# Allegro board RK_TABLET_DEMO1_RK3576_LP4XD200P132SD6_V12_20240530YWQ.brd (continued)
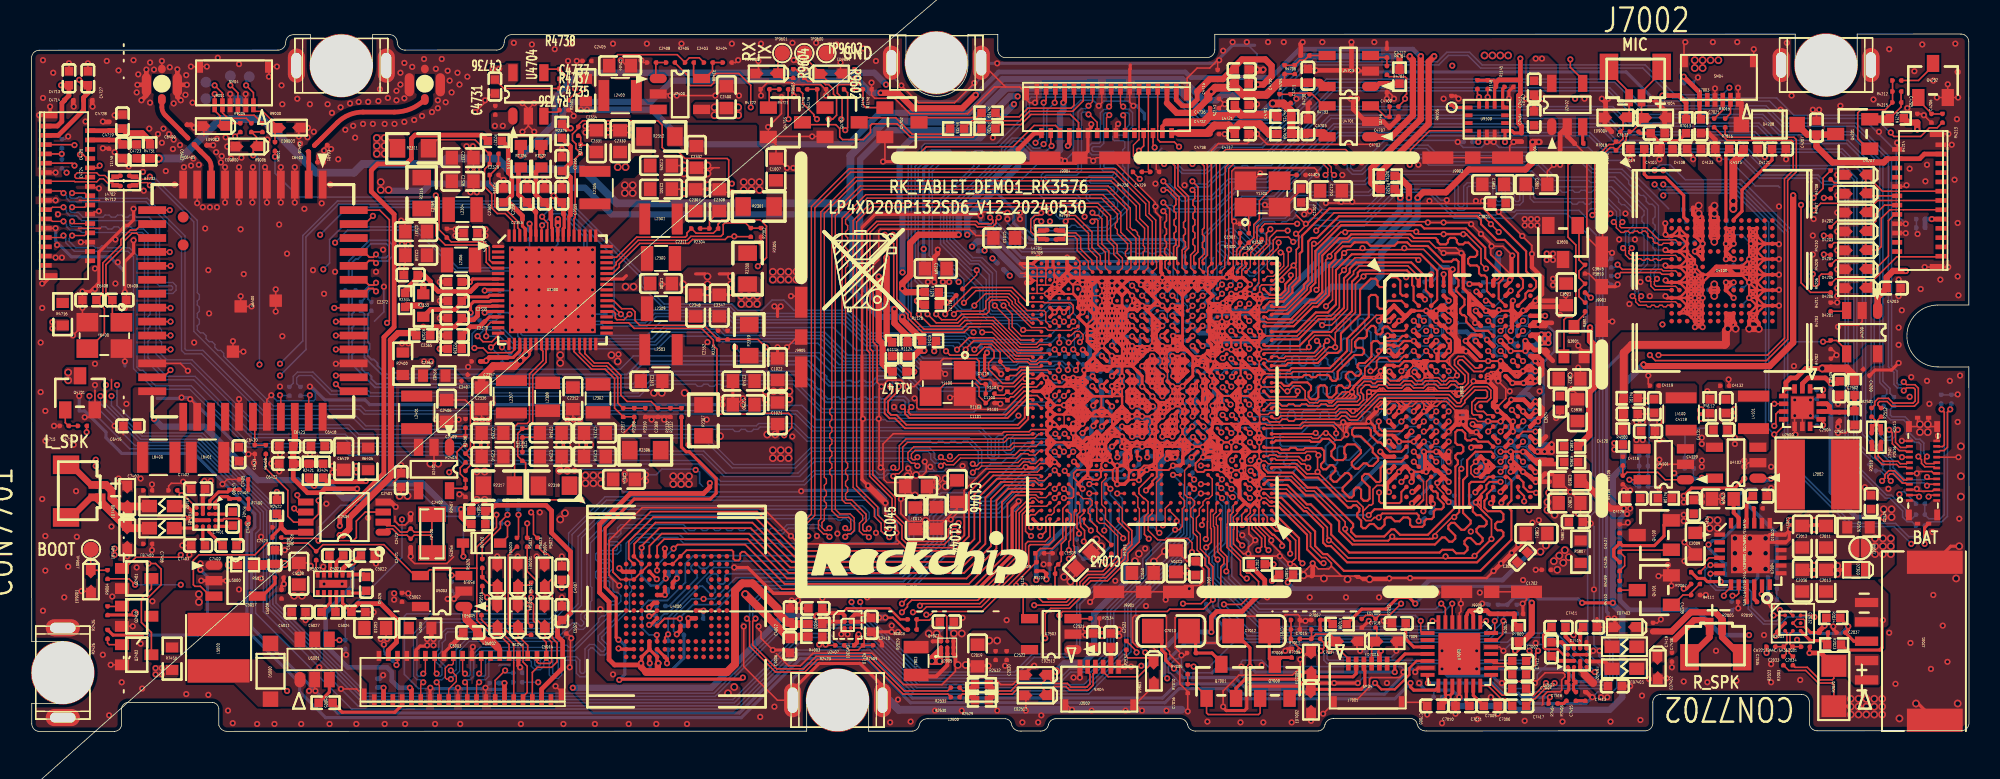
[diagram p0: board, top side]
## Routing (per net, layer and track width the routed paths; a pad name or vN(x,y) marks a point on that pad's centre or on a via; arc(x,y) is an arc through that point) (continued)
VDDA_DDR_PLL_S0_P: length 5.7
  TOP w0.203: 28.88,27.41 28.93,27.46 29.7,27.46 29.71,27.47 U2300.12
  TOP w0.305: R2329.1 25.73,25.83 26.03,26.14 27.31,26.14 27.76,26.59 C2365.1 27.86,26.59 28.53,26.59 28.78,26.85 28.78,27.3 28.88,27.41
VDDA_HDMI_S0_P: length 2.9
  TOP w0.203: v1(28.32,27.05) 28.32,27.56 28.53,27.76 29.59,27.76 29.66,27.82 U2300.11
  BOTTOM w0.305: C2367.1 28.35,27.02 v1(28.32,27.05)
VDDI: length 5.8
  TOP w0.254: v1(37.93,10.54) 38.15,10.31 38.37,10.31
  TOP w0.279: U4000.C2 38.37,10.31
  TOP w0.305: C4007.1 v1(34.22,9.27)
  L4-SIG w0.203: v1(37.93,10.54) 36.66,10.54 35.33,9.22 34.27,9.22 v1(34.22,9.27)
VDDQ_DDR_CKE_S3: length 16.2
  TOP w0.229: v1(74.95,19.02) 74.95,19.02 U1000.2B2
  TOP w0.305: v1(80.04,9.73) 80.44,10.13 R3809.1
  L5-GND w0.089: v1(74.95,19.02) 74.95,19.02 75.29,19.36 75.79,19.36 76.03,19.13 76.03,18.77 75.95,18.7 75.24,18.7 74.95,18.99 v1(74.95,19.02)
  L5-GND w0.203: 75.94,17.23 75.94,17.51 76.03,17.6 76.03,18.62 75.95,18.7
  L5-GND w0.305: v1(80.04,9.73) 79.23,9.73 78.62,10.34 77.9,10.34 77.6,10.64 77.6,11.05 76.43,12.22 76.43,12.42 75.95,12.9 75.95,14.48 75.94,14.49 75.94,17.23
  BOTTOM w0.305: C1214.1 74.91,19.02 v1(74.95,19.02)
VDDQ_DDR_S0: length 28
  TOP w0.102: v1(74.55,9.98) 74.24,10.3 C1204.1 ; 75.87,21.3 75.87,20.7 U1000.2E1 75.84,20.62 75.84,20.07 ; 75.84,22.02 75.84,22.57
  TOP w0.178: 75.56,21.64 75.56,22.29 v1(75.57,22.3) v1(75.57,22.95)
  TOP w0.203: U1000.2J2 v1(75.57,22.95) U1000.2H1 ; 75.89,21.32 U1000.2F1 ; U1000.2E1 75.59,20.37 ; 75.56,21.64 75.57,21.64
  TOP w0.229: U1000.2D1 v1(75.57,20.35) 75.59,20.37 75.59,20.97 ; U1000.2G1 76.2,21.66 75.89,21.35 ; U1000.2G1 v1(75.57,22.3) U1000.2H1 v1(75.57,22.95) ; U1000.2G1 75.89,21.35 ; U1000.2G1 75.56,21.64 75.57,21.64 v1(75.57,21) ; U1000.2F1 v1(75.57,21) ; U1000.2F1 75.89,21.35 ; U1000.2F1 v1(75.57,21) ; U1000.2F2 v1(75.57,21) ; v1(75.57,21) 75.59,20.97 ; 75.59,20.97 U1000.2E1
  L3-POWER w0.089: 76.38,15.11 76.38,18.45 76.13,18.71 76.13,19.79 v1(75.57,20.35)
  L3-POWER w0.102: 76.38,15.11 76.38,13.23
  L3-POWER w0.305: v1(75.57,20.35) v1(75.57,21) v1(75.57,22.3) v1(75.57,22.95) 75.75,22.77 75.75,22.61
  BOTTOM w0.203: R1200.1 76.48,23.37 75.87,23.37 75.57,23.06 v1(75.57,22.95) ; R1201.2 76.03,19.88 v1(75.57,20.35)
  BOTTOM w0.305: v1(75.57,20.35) 75.57,20.39 C1201.1 75.86,20.7 v1(75.57,21) 75.75,21.18 75.75,22.11 v1(75.57,22.3) 75.57,22.33 C1200.1 75.57,22.9 v1(75.57,22.95)
  vias: v1(74.55,10.39) v2(41.4,16.48) v2(41.4,15.98) v2(41.91,16.48) v2(41.91,15.98) v2(42.42,16.48) v2(42.42,15.98) v2(98.22,11) v2(98.45,10.44) v2(98.58,11.35) v2(98.83,10.9) v2(98.94,11.71) v2(99.19,11.25)
VDDQ_DDR_S0_P: length 8.6
  TOP w0.102: U2300.30 35.01,24.53 36.15,23.39 37.01,23.39 37.62,22.78 37.62,20.88 C2317.1 R2308.1 38.89,19.94 38.23,19.28
VDDQ_DRAM_S0: length 89.6
  TOP w0.254: U3800.W8 v1(93.23,16.81) ; U3800.B5 v1(91.44,27.82)
  TOP w0.279: U3800.AA5 v1(91.44,15.47) ; U3800.W1 87.91,17.09 87.62,16.8 v1(87.6,16.8) ; v1(95.44,18.72) U3800.U10 ; U3800.D8 v1(93.19,27.17) ; U3800.F3 v1(89.19,25.87) ; U3800.U3 v1(89.84,18.72) ; U3800.AA3 89.19,15.47 v1(89.1,15.47) ; U3800.F10 v1(95.44,25.22) ; v1(91.44,16.77) 91.12,17.1 U3800.W5 ; U3800.AA8 v1(93.16,15.44) ; U3800.B10 v1(95.44,28.47) ; v1(97.66,26.85) U3800.D12 ; U3800.D1 v1(87.59,26.52)
  TOP w0.305: U3800.B3 89.66,28.15 v1(89.91,27.9) ; v1(93.23,28.41) 93.25,28.41 U3800.B8 ; U3800.AA10 v1(94.79,15.47) ; v1(97.04,16.76) 97.04,16.77 U3800.W12 ; U3800.D5 v1(91.44,26.52)
  BOTTOM w0.089: 95.82,18.34 95.88,18.39 96.38,18.39 ; 94.55,24.25 94.92,24.25 95.11,24.44 95.11,24.74 ; C3818.1 96.66,17.18 96.63,17.21 96.51,17.21 96.4,17.09 ; 96.66,18.11 97.1,17.67 97.46,17.67 ; 96.66,18.11 96.66,18.15 ; 96.66,18.11 96.38,18.39 ; 94.65,18.4 94.27,18.4 94.25,18.38 ; 94.65,18.4 94.41,18.16 94.41,17.99 94.66,17.75 ; 94.65,18.4 94.77,18.4 94.92,18.4 ; 95.12,18.2 94.92,18.4 ; 95.12,18.2 95.12,18.23 ; 95.12,18.2 95.12,18.1 95.11,18.1 95.11,17.94 ; 94.92,18.4 95.12,18.4 ; 95.18,26.19 95.18,26.07 95.11,26 U3800.F10 ; 95.18,26.19 96.37,26.19 ; 95.18,26.19 94.65,26.19 94.62,26.16 94.29,26.16 94.25,26.2 ; 90.84,18.4 91,18.4 91.11,18.29 91.11,18.12 ; 90.84,18.4 90.99,18.25 ; 90.84,18.4 90.5,18.4 ; 96.07,17.09 96.07,17.1 95.82,17.35 ; 96.07,17.09 96.07,17.1 96.1,17.1 96.1,17.1 96.39,17.1 96.4,17.09 ; 96.07,17.09 95.82,16.85 ; 90.99,18.25 91.11,18.12 ; 90.99,18.25 90.99,17.65 ; 96.38,18.39 96.66,18.67 ; 96.38,18.39 96.64,18.39 96.66,18.41 ; 96.38,18.39 96.38,18.39 ; 94.96,24.9 94.66,24.9 ; 94.96,24.9 95.11,24.74 ; 94.96,24.9 95.11,24.9 ; 94.66,24.9 94.66,24.9 94.37,25.18 ; 94.66,24.9 94.37,24.61 ; 95.12,18.23 95.12,18.4 ; 95.12,18.23 95.3,18.41 95.57,18.41 95.82,18.16 ; 95.11,17.94 95.11,17.94 95.11,17.56 ; 95.11,17.94 94.92,17.75 ; 95.11,17.94 95.11,17.94 ; 94.92,17.75 95.11,17.56 ; 94.92,17.75 94.92,17.75 ; 94.92,17.75 95.3,17.75 ; 95.11,17.56 95.3,17.75 ; 95.11,17.56 95.11,17.29 ; 95.11,24.74 95.11,24.9 ; 90.99,25.65 91.11,25.78 91.11,26.19 ; 90.99,25.65 90.88,25.55 90.35,25.55 ; 90.99,25.65 90.99,26.05 90.84,26.19 ; 91.11,18.12 91.11,18.12 91.11,17.97 ; 95.12,18.4 v1(95.44,18.72) ; U3800.F10 94.64,25.54 94.37,25.27 ; U3800.F10 v1(95.44,25.22) ; 90.99,17.65 90.99,17.23 91.07,17.14 ; 90.99,17.65 91.11,17.53 ; 90.99,17.65 90.89,17.75 ; 94.66,17.75 94.64,17.75 94.41,17.53 ; 94.66,17.75 94.92,17.75 ; 95.11,24.9 v1(95.44,25.22) ; 91.11,17.53 91.11,17.14 ; 91.11,17.53 91.11,17.78 ; 96.37,26.19 96.37,26.2 96.57,26.4 96.57,26.75 96.67,26.84 96.38,26.84 96.38,26.85 96.11,26.85 96.1,26.84 U3800.D8 v1(93.19,27.17) 93.51,27.49 94.46,27.49 95.07,28.11 ; 96.37,26.19 96.41,26.16 96.57,26.16 ; 89.3,25.87 89.53,25.87 89.85,26.19 90.2,26.19 ; 96.4,17.09 96.61,17.09 ; 90.32,27.6 90.32,27.31 90.31,27.3 90.31,26.96 90.35,26.92 ; v1(95.44,25.22) 95.76,25.55 96.37,25.55 96.67,25.84 ; 89.3,26.13 89.51,26.34 89.51,26.65 89.7,26.84 90.18,26.84 ; 91.11,17.78 91.11,17.97 ; 91.11,17.78 91.08,17.75 90.89,17.75 ; 91.11,17.97 90.89,17.75 ; 95.11,17.28 95.11,16.91 ; 95.11,17.28 95.3,17.1 ; 95.11,17.28 95.11,17.29 ; 95.11,16.91 95.11,16.91 ; 95.11,16.91 95.11,16.91 ; 95.11,16.91 95.11,16.64 95.12,16.63 95.12,16.42 ; 95.11,16.91 95.3,17.1 ; 95.57,17.75 95.66,17.75 95.82,17.91 ; 95.57,17.75 95.82,17.5 ; 95.57,17.75 95.3,17.75 ; 95.12,15.8 95.12,16.42 ; 95.12,16.42 94.95,16.42 94.92,16.45 94.5,16.45 94.49,16.45 94.25,16.45 ; 90.89,17.75 90.18,17.75 ; 90.35,25.55 90.35,25.7 90.31,25.74 90.31,26.08 90.2,26.19 ; 90.35,25.55 C3806.1 ; 95.82,16.85 95.57,17.1 ; 95.57,17.1 95.3,17.1 ; 95.57,17.1 95.82,17.34 ; 91.11,26.19 91.21,26.29 ; 91.11,26.19 90.84,26.19 ; 95.11,16.91 94.92,17.1 ; 94.92,17.1 94.92,17.1 95.11,17.29 ; 94.92,17.1 94.26,17.1 ; 94.92,17.1 95.3,17.1 ; 90.5,18.4 90.16,18.4 v1(89.84,18.72) 90.17,18.72 90.5,18.4 ; 95.11,17.94 95.3,17.75 ; 90.84,26.19 90.2,26.19 ; U3800.D5 90.18,26.84 ; 90.18,26.84 90.22,26.8 ; 95.91,25.2 95.91,25.13
  BOTTOM w0.102: 89.3,26.13 89.19,26.02 v1(89.19,25.87) 89.3,25.87 ; 92.91,26.06 93.28,26.06 ; 92.91,26.06 93.02,25.95 94.25,25.95 ; 92.91,26.06 92.61,26.36 C3816.1 ; 93.28,26.06 93.36,26.14 94.08,26.14 94.13,26.2 94.25,26.2 ; 93.28,26.06 94.19,26.06 ; 96.7,25.91 96.7,25.87 96.67,25.84 ; C3808.1 93.66,16.45 94.25,16.45 ; 95.07,28.11 v1(95.44,28.47) ; 97.84,17.53 97.7,17.67 97.46,17.67 ; 90.32,27.6 90.32,27.99 90.32,27.99 89.84,28.47 ; 91.11,17.1 91.07,17.14 ; 91.11,17.1 v1(91.44,16.77) 91.08,16.41 91.08,15.83 v1(91.44,15.47) ; 91.11,17.1 91.11,17.14 ; v1(95.44,25.22) 95.53,25.13 95.89,25.13 95.91,25.11 C3814.1 ; v1(97.66,26.84) 96.67,26.84 ; 94.16,18.29 94.25,18.38 ; 91.21,26.29 v1(91.44,26.52)
  BOTTOM w0.191: 95.81,25.55 95.81,25.71 95.81,25.72 95.81,25.94 95.86,25.99 95.86,26.03 96.04,26.2 95.87,26.37 95.87,26.37 95.81,26.43 95.81,26.79
  BOTTOM w0.203: v1(91.44,16.77) 90.72,16.77 ; 90.72,16.77 90.22,16.27 90.22,15.83 89.73,15.33 ; 90.72,16.77 90.22,17.27 90.22,17.65 C3810.1 90.22,17.79 90.22,18.23 89.84,18.61 v1(89.84,18.72) ; v1(91.44,27.82) 91.02,27.4 91.02,26.94 U3800.D5 v1(91.44,26.52) ; v1(94.79,15.47) 95.82,16.5 95.82,18.34 v1(95.44,18.72) 95.61,18.72 95.99,19.1 96.43,19.1 96.66,18.88 96.66,18.15 ; 95.76,26.84 95.81,26.79 ; 90.35,26.92 90.22,26.8 90.22,26.18 ; 94.55,24.25 94.37,24.43 94.37,26.67 94.54,26.84
  BOTTOM w0.254: v1(87.6,16.8) 87.41,16.61 C3807.1
  BOTTOM w0.305: C3808.1 93.57,16.47 v1(93.23,16.81) ; C3815.1 95.18,18.98 v1(95.44,18.72) ; C3814.1 95.77,24.89 95.53,25.13
  vias: v1(96.35,33.1) v1(96.35,32.69) v1(96.64,14.29) v1(96.75,33.1) v1(96.75,32.69) v1(97.16,33.1) v1(97.16,32.69) v2(97.82,14.81) v2(97.82,14.3) v2(97.92,15.42) v2(98.28,13.99)
VEE6V0_LCD: length 7.7
  TOP w0.203: C5024.1 20.07,8.28 U5002.11
  TOP w0.305: J5000.4 23.01,5.23 23.55,5.77 23.55,7.24 22.53,8.25 21.06,8.25 20.64,7.84 C5024.1
32KOUT_RTC: length 80.5
  TOP w0.102: R6408.1 15.12,16.99 16.54,15.57 16.54,13.89 16.91,13.52 U2404.7 17.99,13.52 18.52,14.05 v1(18.52,14.91) ; U1000.1U23 v1(66.02,24.67)
  L4-SIG w0.102: v1(18.82,29.84) 17.4,28.42 17.4,15.87 18.37,14.91 v1(18.52,14.91)
  BOTTOM w0.089: v1(66.02,24.67) 65.96,24.61 R2411.2 65.61,24.61 65.31,24.31
  BOTTOM w0.102: v1(18.82,29.84) 19.23,30.25 19.23,31.77 20.04,32.59 24.87,32.59 27.51,29.95 31.37,29.95 31.58,29.74 31.58,25.68 31.68,25.58 39.7,25.58 40.62,26.49 44.68,26.49 45.09,26.09 51.74,26.09 53.22,24.61 57.03,24.61 57.53,24.1 62.97,24.1 63.17,24.31 65.31,24.31
AD0: length 1.2
  TOP w0.203: R9105.1 91.81,40.3 U9100.1
ADCVREF_ES8388: length 1.4
  TOP w0.203: C7010.1 92.58,1.85 U7000.19
AP627XP_PCIE_RXN: length 3.1
  TOP w0.117: v1(22.23,28.42) 22.04,28.61 21.76,28.61 21.42,28.27 U6400.44
  BOTTOM w0.117: C6414.1 21.9,27.73 21.7,27.93 21.7,28.4 21.9,28.59 22.06,28.59 v1(22.23,28.42)
AP627XP_PCIE_RXP: length 3.4
  TOP w0.117: U6400.45 21.43,29.17 21.77,28.83 22.08,28.83 v1(22.23,28.98)
  BOTTOM w0.117: C6413.1 21.48,27.95 21.48,28.49 21.81,28.81 22.06,28.81 v1(22.23,28.98)
AP627XP_PCIE_TXN: length 8.6
  TOP w0.117: U6400.46 21.44,30.07 21.78,30.41 22.07,30.41 v1(22.23,30.25)
  BOTTOM w0.117: C6412.1 20.47,29.27 20.47,30.38 21.81,31.72 22.99,31.72 23.29,31.42 23.29,30.7 22.98,30.38 22.36,30.38 v1(22.23,30.25)
AP627XP_PCIE_TXP: length 7.6
  TOP w0.117: U6400.47 21.46,30.97 21.79,30.63 22.05,30.63 v1(22.23,30.81)
  BOTTOM w0.117: v1(22.23,30.81) 22.43,30.61 22.89,30.61 23.07,30.79 23.07,31.33 22.9,31.5 21.9,31.5 21.31,30.9 21.31,30.75 21.07,30.52 20.92,30.52 20.69,30.29 20.69,29.27 C6411.1
AP627XP_REFCLKN: length 2
  TOP w0.089: v1(16.03,21.72) 16.09,21.66 U6400.33
  BOTTOM w0.089: v1(16.03,21.72) 16.09,21.72 16.11,21.7 C6417.1
AP627XP_REFCLKP: length 2
  TOP w0.089: v1(17.96,21.72) 17.89,21.64 U6400.35
  BOTTOM w0.089: v1(17.96,21.72) 17.91,21.72 17.89,21.7 C6416.1
AUD_LINEOUT_L: length 91.2
  TOP w0.203: v1(13.95,13.44) 14.02,13.51 14.02,13.8 C7406.1 ; v1(88.98,3.12) 88.98,2.87 89.18,2.67 90.58,2.67 90.78,2.87 U7000.15
  BOTTOM w0.203: v1(88.98,3.12) 87.96,2.11 77.8,2.11 77.14,2.77 74.04,2.77 73.13,1.85 56.72,1.85 53.88,4.7 49.61,4.7 45.8,0.89 18.98,0.89 17.3,2.56 17.3,3.12 13.9,6.53 13.9,13.39 v1(13.95,13.44)
AUD_LINEOUT_R: length 9.2
  TOP w0.203: v1(90.1,3.12) 90.08,3.14 U7000.14 ; C7417.1 97.9,2.14 v1(97.97,2.21)
  BOTTOM w0.203: v1(97.97,2.21) 96.19,2.21 95.94,2.46 94.92,2.46 94.26,3.12 v1(90.1,3.12)
AUD_SPK1N: length 6.8
  TOP w0.406: CON7701.3 2.55,13.82 3.85,15.12 CON7701.1
  TOP w0.508: FB7400.2 6.18,13.13 ED7401.1 4.23,15.08 CON7701.1
AUD_SPK1P: length 6.8
  TOP w0.406: CON7701.2 3.84,15.92 2.54,17.22 CON7701.4
  TOP w0.508: FB7401.2 7.58,14.53 ED7400.1 5.69,14.53 5.16,15.06 5.16,15.56 4.8,15.92 CON7701.2
AUD_SPK2N: length 8.2
  TOP w0.406: C7419.1 105.82,6.46 107.06,7.7 108.64,7.7 109.08,7.26 CON7702.1 109.08,6.09 CON7702.3
AUD_SPK2P: length 5.5
  TOP w0.406: CON7702.4 108.28,6.09 CON7702.2 107.88,7.19 107.27,7.19 106.03,5.95
BATT0_TS: length 8.9
  TOP w0.203: R2024.2 116.71,7.3 v1(117.22,6.78) 117.22,6.58 C2037.2 117.58,5.83 J2001.3 ; v1(112.55,6.17) 112.6,6.22 112.6,6.44 U2003.B1
  BOTTOM w0.203: v1(117.22,6.78) 116.77,6.32 112.7,6.32 v1(112.55,6.17)
BT_REG_ON_H: length 61.8
  TOP w0.102: v1(19.64,22.99) 20.67,22.99 U6400.38 ; U1000.1C22 67.24,15.65 67.24,15.16 67.15,15.07 v1(66.62,15.07)
  L4-SIG w0.102: v1(19.64,22.99) 19.99,22.63 19.99,22.28 19.79,22.07 19.79,15.42 20.5,14.71 21.42,14.71 22.13,13.99 22.13,13.08 23.14,12.06 34.78,12.06 37.26,14.55 52.05,14.55 52.61,15.11 54.99,15.11 55.55,15.67 57.69,15.67 58.55,14.81 62.42,14.81 62.88,15.26 65.31,15.26 65.87,14.71 66.25,14.71 v1(66.62,15.07)
BT_WAKE_HOST_H: length 58.4
  TOP w0.102: U6400.50 22.46,33.67 23.09,33.04 23.09,26.54 v1(22.94,26.39) ; U1000.1P23 66.05,22.84 66.05,22.84 v1(66.02,22.87)
  L4-SIG w0.089: v1(45.39,24.82) 45.3,24.72
  L4-SIG w0.102: v1(22.94,26.39) 22.94,24.82 24.51,23.24 26.75,23.24 27.87,24.36 29.75,24.36 30.84,23.27 43.84,23.27 45.3,24.72
  BOTTOM w0.102: v1(45.39,24.82) 45.75,24.46 50.88,24.46 51.84,23.49 55.86,23.49 57.38,21.97 61.84,21.97 62.38,22.5 63.3,22.5 63.99,23.19 65.7,23.19 66.02,22.87 v1(66.02,22.87)
CHG_REF: length 14.6
  TOP w0.203: C2017.1 110.96,15.2 v1(110.57,14.81) ; R2007.1 107.5,9.88 107.93,9.88 108.13,9.68 v1(108.99,9.68)
  TOP w0.254: 110.57,14.83 v1(110.57,14.81) 110.66,14.72 U2004.22
  BOTTOM w0.203: v1(108.99,9.68) 111.13,9.68 111.38,9.93 111.38,10.79 111.59,11 112.55,11 112.61,11.05
  BOTTOM w0.254: v1(110.57,14.81) 112.61,12.77 R2025.1
CHG_STAT: length 1.9
  TOP w0.102: U2004.4 108.25,11.21 107.98,10.95 107.98,10.62 R2007.2
CHRG_OK_H: length 129.9
  TOP w0.102: U2004.7 109.66,9.32 109.2,8.86 v1(109.2,8.76) ; U1000.1Y22 v1(67.22,26.47)
  L4-SIG w0.102: v1(109.2,8.76) 109.2,8.81 109.81,9.42 118.65,9.42 120.53,11.3 120.53,14.45 119.71,15.26 119.36,15.26 118.24,16.38 113.52,16.38 113.11,16.79 113.11,23.5 117.07,27.46 117.07,34.91 116.8,35.18 113.55,35.18 112.21,36.52 112.21,37.34 110.47,39.08 110.47,41.73 110.26,41.93 109.35,41.93 109.2,41.78 109.2,41.22 108.94,40.97 105.95,40.97 104.88,42.04 91.01,42.04 90.71,41.73 80.45,41.73 79.64,40.92 78.87,40.92 77.91,39.96 71.61,39.96 70.01,38.36 68.02,38.36 67.29,39.09 64.71,39.09 62.45,36.83 62.44,36.83 62.31,36.7 62.13,36.7 v1(61.68,37.16)
  BOTTOM w0.089: v1(67.22,26.47) 66.98,26.7 66.98,27.25 66.78,27.46 65.87,27.46 65.15,26.75 61.8,26.75 61.39,27.15 61.39,28.73 59.56,30.57
  BOTTOM w0.102: 59.56,30.57 58.65,31.47 58.65,34.37 60.8,36.51 60.8,37.41 60.9,37.51 61.32,37.51 v1(61.68,37.16)
CSN: length 2.5
  TOP w0.102: R2022.2 113.21,5 113.21,5.33 C2033.2 ; C2033.2 113.26,5.66 113.26,6.38 U2003.C1 ; C2033.2 C2035.2
CSP: length 2.6
  TOP w0.102: C2033.1 113.46,5.63 113.46,6.31 U2003.C2 ; C2033.1 C2034.1 ; C2033.1 113.41,5.26 113.41,5.07 R2003.2
DDR_PLL_AVDD1V8: length 14.2
  TOP w0.229: U1000.2D2 75.56,19.7 75.61,19.7 v1(75.62,19.69)
  TOP w0.305: R1202.2 v1(80.14,10.79)
  L5-GND w0.203: 76.34,17.39 76.33,17.4 76.33,19.33 75.96,19.69 v1(75.62,19.69)
  L5-GND w0.305: 76.34,17.39 76.34,14.75 76.36,14.73 76.36,13.11 76.84,12.62 76.84,12.47 78.51,10.79 v1(80.14,10.79)
  BOTTOM w0.203: v1(75.62,19.69) 76.02,19.29 C1212.1
  BOTTOM w0.305: C1212.1 75.62,19.69 v1(75.62,19.69)
DDR_PLL_AVSS: length 2.1
  TOP w0.229: U1000.2C2 v1(75.59,19.02)
  BOTTOM w0.305: R1203.1 C1212.2 75.88,18.73 v1(75.59,19.02) 75.25,19.36 C1213.2
DP_TX_AUXN: length 74.6
  TOP w0.107: U1000.2T3 v1(74.92,28.15)
  BOTTOM w0.102: v1(74.92,28.15) 75.25,28.48 75.73,28.48 75.82,28.57 75.82,29.39 75.57,29.64 75.57,32.03 78.11,34.57 80.16,34.57 84.27,38.68 100.56,38.68 101.63,37.62 109.89,37.62 111.57,35.94 115.28,35.94 115.68,35.53 116.55,35.53 117.22,34.86 117.22,17.74 119.7,15.26 120,15.26 120.93,14.33 120.93,13.93 121.11,13.75 121.35,13.75 C2501.1
DP_TX_AUXP: length 73.9
  TOP w0.102: U1000.2T2 v1(75.57,28.15)
  BOTTOM w0.102: v1(75.57,28.15) 75.69,28.27 75.8,28.27 76.03,28.49 76.03,29.47 75.77,29.73 75.77,31.94 78.19,34.37 80.24,34.37 84.36,38.48 100.48,38.48 101.54,37.41 109.81,37.41 111.48,35.74 115.19,35.74 115.6,35.33 116.46,35.33 117.02,34.77 117.02,17.65 119.61,15.06 119.92,15.06 120.73,14.25 120.73,13.84 121.02,13.55 121.33,13.55 121.58,13.29 C2500.1
EMMC_CLKOUT: length 33.5
  TOP w0.127: U4000.M6 40.87,6.06 v1(41.07,6.27)
  BOTTOM w0.114: C4003.1 v1(41.07,6.27) 41.07,7.34 43.12,9.38 43.3,9.38 43.81,8.87 43.97,8.87 44.12,9.01 44.12,9.16 43.59,9.69 43.59,9.85 43.92,10.18 44.18,10.18 44.29,10.07 44.29,9.64 44.41,9.52 44.63,9.52 44.75,9.64 44.75,10.07 44.86,10.18 56.11,10.18 58.19,12.27 58.19,13.84 58.96,14.6 62.32,14.6 64.5,16.78 64.64,16.78 R1367.2
EMMC_CMD: length 38
  TOP w0.114: v1(67.22,18.07) U1000.1F22
  TOP w0.127: v1(40.35,6.23) 40.37,6.21 U4000.M5
  BOTTOM w0.114: v1(67.22,18.07) 66.79,18.5 65.21,18.5 64.53,18.5 61.45,15.42 58.7,15.42 57.94,14.66 57.33,14.66 56.62,13.94 56.62,11.81 56.16,11.35 42.7,11.35 42.19,10.85 42.19,9.63 41.02,8.46 39.8,8.46 39.4,8.05 39.4,6.68 39.85,6.23 v1(40.35,6.23) R4000.2
EMMC_D0: length 32.6
  TOP w0.089: U1000.E28 65,15.92 64.73,16.19 64.42,16.19 64.34,16.11 63.28,16.11
  TOP w0.114: U4000.A3 v1(39.37,11.86) 39.37,11.98 40.52,13.13 46.41,13.13 48.95,10.59 60.02,10.59 61.55,12.12 61.55,15.11 62.54,16.11 63.28,16.11
  BOTTOM w0.114: v1(39.37,11.86) 39.35,11.84 R4001.2
EMMC_D1: length 30.9
  TOP w0.089: 63.66,15.9 64.59,15.9 U1000.E29
  TOP w0.114: U4000.A4 39.87,11.97 40.67,12.78 46.31,12.78 48.85,10.24 60.18,10.24 61.9,11.96 61.9,15.01 62.79,15.9 63.66,15.9
EMMC_D2: length 31.6
  TOP w0.089: U1000.1C24 65.4,15.65 65.28,15.65 64.41,15.65 64.38,15.68 64.1,15.68
  TOP w0.114: U4000.A5 40.37,11.97 40.82,12.42 46.21,12.42 48.75,9.88 60.33,9.88 62.26,11.81 62.26,14.91 63.03,15.68 64.1,15.68
EMMC_D3: length 33.8
  TOP w0.089: 64.09,16.54 64.12,16.56 65.07,16.56 U1000.F28
  TOP w0.114: 64.09,16.54 62.06,16.54 60.84,15.32 60.84,12.42 59.72,11.3 49.2,11.3 46.66,13.84 40.11,13.84 38.53,12.27 38.53,11.14 U4000.B2
EMMC_D4: length 34.1
  TOP w0.089: U1000.1D24 65.35,16.2 64.98,16.2 64.81,16.38 64.3,16.38 64.25,16.32
  TOP w0.102: 63.28,16.32 64.25,16.32
  TOP w0.114: 63.28,16.32 62.3,16.32 61.19,15.21 61.19,12.27 59.87,10.95 49.05,10.95 46.51,13.49 40.26,13.49 38.89,12.12 38.89,11.29 U4000.B3
EMMC_D5: length 38
  TOP w0.089: 64.02,16.75 64.9,16.75 U1000.G28
  TOP w0.114: 64.02,16.75 61.82,16.75 60.48,15.42 60.48,12.6 59.54,11.66 49.36,11.66 46.82,14.2 39.96,14.2 37.52,11.76 37.52,10.29 37.99,9.81 38.87,9.81 U4000.B4
EMMC_D6: length 31.5
  TOP w0.089: 64.06,15.46 65.07,15.46 U1000.D28
  TOP w0.102: 64.06,15.46 64.06,15.46
  TOP w0.114: v1(41.43,11.81) 41.68,12.06 46.05,12.06 48.59,9.52 60.48,9.52 62.61,11.66 62.61,14.81 63.27,15.46 64.06,15.46
  TOP w0.127: U4000.B5 v1(40.37,10.4)
  BOTTOM w0.114: v1(40.37,10.4) 40.37,10.75 v1(41.43,11.81)
EMMC_D7: length 31.8
  TOP w0.089: U1000.1B24 65.45,15.1 64.98,15.1 64.81,15.28 64.25,15.28 64.22,15.25
  TOP w0.114: 64.22,15.25 63.51,15.25 62.97,14.71 62.97,11.51 60.66,9.19 48.42,9.19 46,11.61 45.84,11.61 45.73,11.49 45.73,11.15 45.63,11.05 45.38,11.05 45.28,11.15 45.28,11.61 45.18,11.71 42.26,11.71 41.37,10.81 U4000.B6
EMMC_DATA_STROBE: length 32.9
  TOP w0.114: U1000.1F23 v1(66.02,18.07)
  BOTTOM w0.114: v1(66.02,18.07) 65.93,18.16 64.82,18.16 64.66,18 64.66,17.84 64.8,17.7 64.8,17.5 64.7,17.4 64.49,17.4 64.31,17.58 64.16,17.58 61.68,15.11 58.85,15.11 58.04,14.3 57.43,14.3 56.92,13.79 56.92,11.61 56.31,11 44.02,11 43.55,10.53 43.19,10.53 42.89,10.82 42.73,10.82 42.57,10.66 42.57,10.5 42.95,10.11 42.95,9.93 41.13,8.1 R4007.1
EMMC_RSTN: length 31.7
  TOP w0.114: U1000.1D23 v1(66.02,16.87)
  TOP w0.127: v1(41.84,7.29) 40.84,7.29 U4000.K5
  BOTTOM w0.114: R4006.2 41.84,7.06 v1(41.84,7.29) 41.84,7.34 42.69,8.2 44.16,8.2 45.65,9.68 56.26,9.68 58.7,12.12 58.7,13.59 59.21,14.1 62.41,14.1 64.39,16.08 65.23,16.08 v1(66.02,16.87)
F_LED-:
  vias: v1(1.55,30.61) v1(1.96,30.61) v2(2.37,23.19) v2(2.37,22.68)
FLASH_LED_EN: length 90.9
  TOP w0.089: U1000.1B15 71.38,15.1 71.38,14.48 71.48,14.38 71.48,12.25
  TOP w0.102: R4714.1 v1(3.55,19.33) ; v1(65.41,6.02) 65.41,7.59 65.76,7.95 66.98,7.95 68.05,9.02 68.05,9.42 68.35,9.73 69.42,9.73 70.74,11.05 70.74,11.51 71.48,12.25
  L4-SIG w0.102: v1(65.41,6.02) 63.27,6.02 62.36,6.93 57.58,6.93 57.28,6.63 57.28,5.77 56.42,4.9 48.9,4.9 48.29,4.29 45.07,4.29 41.62,0.84 14.81,0.84 7.19,8.46 7.19,15.57 3.55,19.21 v1(3.55,19.33)
GAUGE_ALRT: length 128.9
  TOP w0.089: v1(67.64,25.15) 67.85,25.35 67.85,25.62 67.63,25.84 67.35,25.84 67.08,25.57 U1000.1W22
  TOP w0.102: U2003.A1 v1(112.4,7.49)
  L4-SIG w0.102: v1(112.4,7.49) 113.21,7.49 114.73,9.02 118.85,9.02 120.93,11.1 120.93,14.35 120.17,15.11 120.17,15.47 120.63,15.93 120.63,16.69 118.85,18.47 115.24,18.47 114.13,19.58 114.13,24.21 117.27,27.36 117.27,34.99 116.88,35.38 113.63,35.38 112.41,36.61 112.41,37.42 110.67,39.16 110.67,41.82 110.35,42.14 109.27,42.14 108.99,41.87 108.99,41.33 108.84,41.17 106.05,41.17 104.98,42.24 90.91,42.24 90.6,41.93 80.35,41.93 79.53,41.12 78.77,41.12 77.81,40.16 71.53,40.16 69.93,38.56 68.11,38.56 67.37,39.29 64.6,39.29 62.47,37.16 v1(62.24,37.16)
  BOTTOM w0.089: 61.8,28.93 61.8,27.36 62,27.15 64.95,27.15 65.66,27.86 67.64,27.86 68.2,27.3 68.2,25.98 67.64,25.42 v1(67.64,25.15)
  BOTTOM w0.102: v1(62.24,37.16) 62.24,36.93 59.06,33.76 59.06,31.67 60.53,30.2 61.09,30.2 61.8,29.49 61.8,28.93
GSENSOR_INT_L: length 57.1
  TOP w0.089: U1000.1Y23 v1(66.02,26.47)
  TOP w0.102: U9100.4 90.21,38.8 88.98,37.57 88.98,36.65 v1(88.93,36.6)
  L4-SIG w0.102: v1(58.85,37.11) 58.85,36.61 60.18,35.28 70.28,35.28 72.32,33.25 75.11,33.25 77.3,35.43 80.39,35.43 82.63,37.67 87.86,37.67 v1(88.93,36.6)
  BOTTOM w0.089: v1(66.02,26.47) 65.48,26.47 65.41,26.54 61.7,26.54 61.19,27.05 61.19,28.52 59.62,30.1 58.85,30.1 58.39,30.57
  BOTTOM w0.102: v1(58.85,37.11) 58.85,36.91 58.12,36.17 58.12,30.83 58.39,30.57
HALL_INT_L_1: length 30
  TOP w0.089: U1000.Y29 64.54,24.25 63.71,24.25 63.52,24.25 61.99,25.78 v1(61.34,25.78)
  TOP w0.102: v1(57.08,37.11) 57.74,37.77 63.33,37.77 64.7,39.14 66.07,39.14 66.36,38.85 J4701.26
  BOTTOM w0.089: 56.77,27.06 56.77,26.48 57.11,26.14 60.99,26.14 v1(61.34,25.78)
  BOTTOM w0.102: v1(57.08,37.11) 56.77,36.8 56.77,27.06
HOST_USB_DET: length 140.7
  TOP w0.089: U1000.1W21 67.06,25.12 v1(66.92,25.12)
  TOP w0.102: v1(71.3,5.1) 71.3,5.18 R2537.1
  L4-SIG w0.102: v1(71.3,5.1) 71.3,6.17 67.06,10.41 64.95,10.41 64.47,10.9 47.68,10.9 46.97,10.18 43.21,10.18 42.19,11.2 40.01,11.2 38.28,9.47 38.28,9.22 37.72,8.66 35.94,8.66 35.59,8.31 33.86,8.31 33.76,8.41 33.76,9.07 33.4,9.42 28.93,9.42 27.66,8.15 22.94,8.15 19.54,11.56 19.54,12.98 18.93,13.59 16.44,13.59 15.12,14.91 15.12,22.33 15.78,22.99 v1(16.03,22.99)
  BOTTOM w0.102: v1(66.92,25.12) 66.6,25.44 66.14,25.44 65.81,25.12 60.63,25.12 60.23,25.53 54.13,25.53 52.66,27 45.51,27 45.11,27.41 40.72,27.41 39.3,28.83 39.3,29.34 34.58,34.06 19.82,34.06 17.71,31.94 17.71,24.66 v1(16.03,22.99)
HOST_WAKE_BT_H: length 71.5
  TOP w0.102: U6400.49 21.5,32.77 v1(22.02,33.3)
  TOP w0.229: U1000.1E21 v1(67.26,17.43)
  L4-SIG w0.089: 55,18.41 63.63,18.41 64.09,17.96 65.47,17.96 65.7,17.72 66.97,17.72 v1(67.26,17.43)
  L4-SIG w0.102: v1(22.02,33.3) 21.06,32.33 21.06,30.61 20.6,30.15 20.6,21.97 20.4,21.77 20.4,15.72 20.81,15.32 21.77,15.32 22.74,14.35 22.74,13.39 23.45,12.67 34.47,12.67 36.96,15.16 51.54,15.16 54.79,18.41 55,18.41
HP_CTL_H: length 83.1
  TOP w0.089: 80.12,31.5 80.12,31.18 79.47,30.53 U1000.AL2
  TOP w0.102: v1(81.41,31.62) 81.1,31.93 80.33,31.93 80.12,31.72 80.12,31.5 ; R7010.1 74.91,4.26 v1(74.98,4.19)
  BOTTOM w0.102: v1(74.98,4.19) 76,4.19 77.57,5.77 95.24,5.77 95.55,6.07 98.14,6.07 100.72,3.48 101.01,3.48 101.27,3.74 101.27,4.2 100.41,5.06 100.41,8.15 100.41,8.16 100.41,13.14 100.26,13.29 100.26,13.9 100.71,14.35 100.71,25.44 100.21,25.94 100.21,26.24 100.38,26.42 100.38,27.75 100.26,27.87 100.26,28.16 100.51,28.41 100.51,32 99.07,33.45 95.86,33.45 95.56,33.15 91.8,33.15 90.55,34.39 90.55,34.41 90.14,34.82 88.16,34.82 85.98,32.64 83.1,32.64 83.04,32.7 82.63,32.7 82.37,32.44 82.37,32.43 81.56,31.62 v1(81.41,31.62)
HP_DET_J: length 2.5
  TOP w0.102: J7001.4 86.47,5.47 ED7003.1 86.8,6.64 R7012.2
HP_DET_L: length 21.2
  TOP w0.102: v1(77.43,15.66) 77.41,15.68 U1000.1C5 ; v1(88.37,8.25) 87.66,7.54 87,7.54 R7012.1 86.5,7.49 86.08,7.49 85.85,7.26 C7018.1
  BOTTOM w0.089: v1(77.43,15.66) 77.63,15.46 77.64,15.46 77.85,15.24 77.85,14.91 77.7,14.76
  BOTTOM w0.102: 77.7,14.76 77.45,14.5 77.45,10.03 79.23,8.25 v1(88.37,8.25)
HP_GND: length 23.6
  TOP w0.102: v1(97.21,5.21) 97.06,5.05 97.06,4.3 C7004.2 ; C7014.2 83.39,5.73 83.39,5.41 v1(83.19,5.21)
  TOP w0.305: v1(87.07,5.21) 86.97,5.1 J7001.5
  L4-SIG w0.305: v1(87.07,5.21) 86.44,5.21 85.98,4.75 83.49,4.75 83.19,5.05 v1(83.19,5.21)
  BOTTOM w0.102: v1(97.21,5.21) 97.01,5 97.01,4.75 96.65,4.39 83.59,4.39 83.39,4.6 83.39,5 v1(83.19,5.21) ; 87.15,5.21 v1(87.07,5.21)
  BOTTOM w0.305: R7004.1 v1(87.07,5.21)
HPL_OUT_J: length 9.7
  TOP w0.203: Q7001.2 77.72,2.79 78.31,3.38 81.71,3.38 82.16,3.82 ED7001.1 82.87,3.53 85.27,3.53 85.47,3.73 J7001.2
HPOUT_L: length 21.3
  TOP w0.152: v1(86.69,3.12) 87.1,2.72 87.96,2.72 88.9,3.66 88.9,4.09 89.37,4.55 U7000.12